# KiCad board KlusterLab r2.0.kicad_pcb (continued)
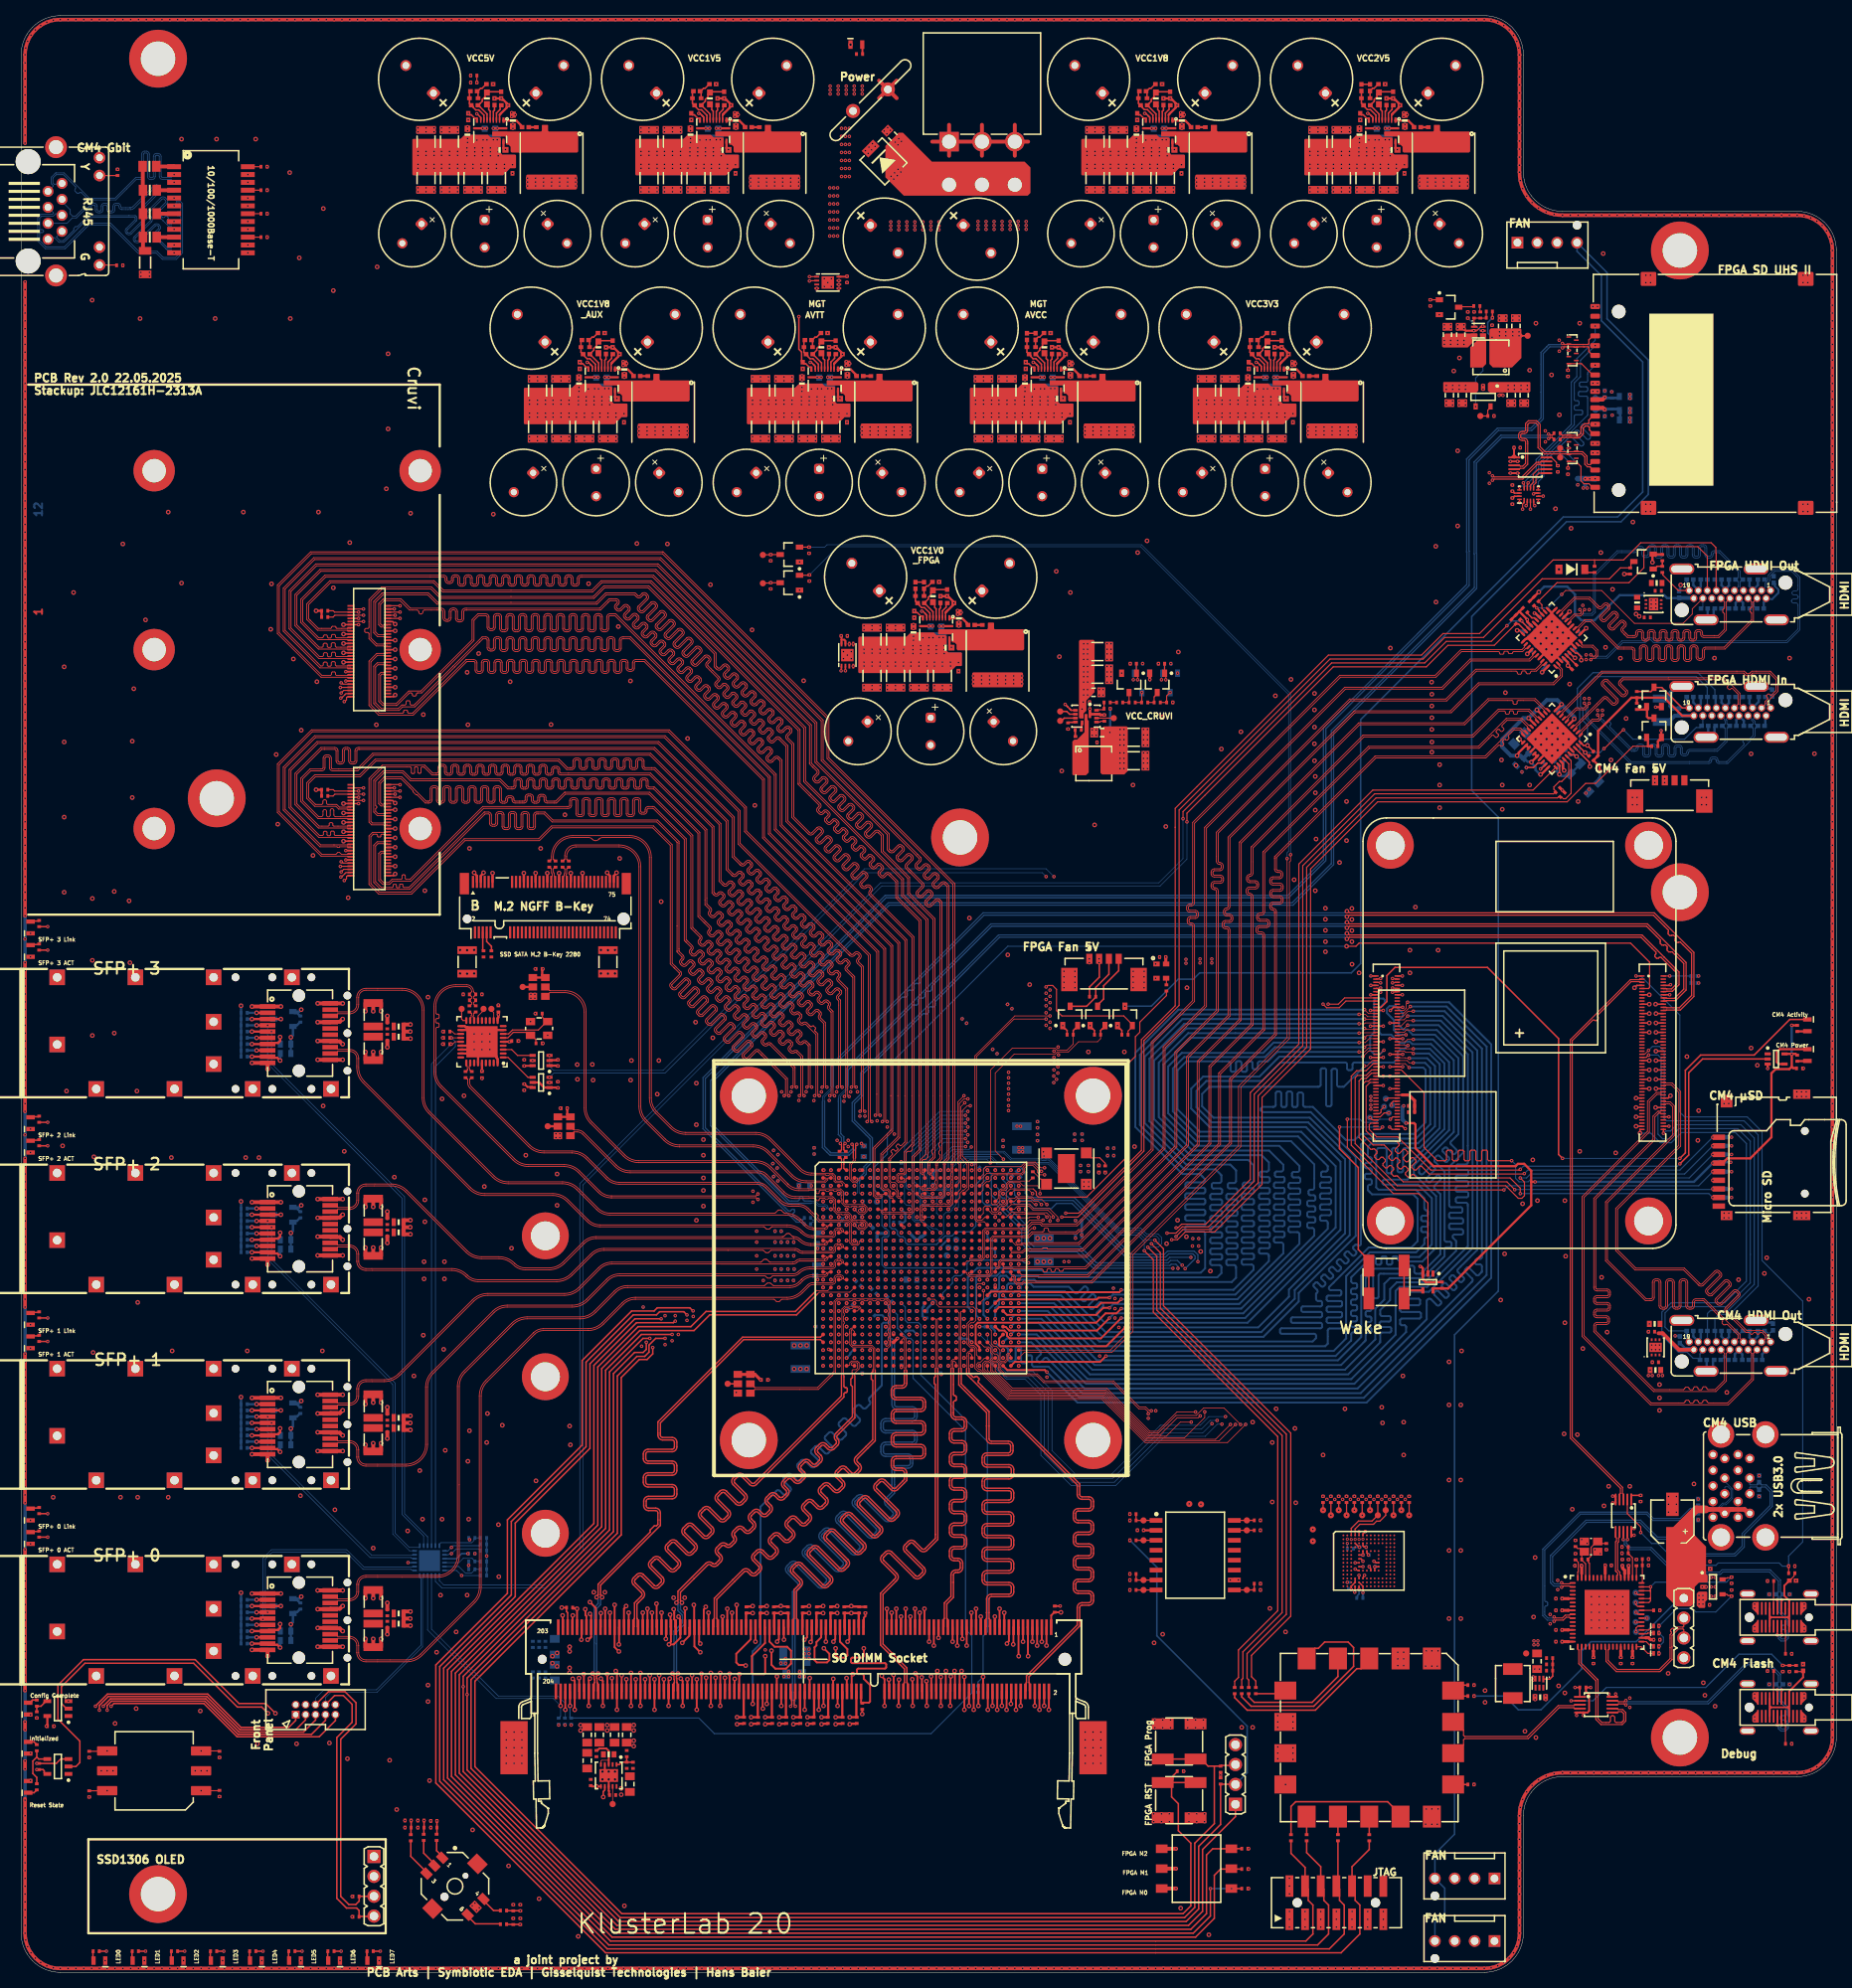
[diagram p0: board, top side]
## Nets (continued)
GND: C1.2 C2.2 C3.2 C4.2 C5.1 C6.2 C7.2 C8.2 C9.2 C10.2 C11.2 C12.2 C13.2 C14.2 C15.1 C16.2 C17.2 C18.2 C19.2 C20.2 C21.2 C22.2 C23.2 C24.2 C25.2 C26.2 C27.2 C28.2 C29.2 C30.2 C31.2 C32.2 C33.2 C34.2 C35.2 C36.2 C37.2 C38.2 C40.2 C41.2 C42.2 C43.2 C44.2 C45.2 C46.2 C47.2 C48.2 C49.2 C50.2 C51.2 C52.2 C53.1 C54.1 C55.2 C56.2 C60.2 C61.2 C62.2 C63.2 C64.2 C65.2 C66.2 C67.2 C68.2 C69.2 C71.2 C72.2 C73.2 C74.2 C75.2 C77.2 C78.2 C79.2 C80.2 C87.2 C88.2 C89.2 C90.2 C91.2 C92.2 C93.2 C94.2 C95.2 C96.2 C97.2 C98.2 C99.2 C100.2 C101.2 C102.2 C103.1 C104.1 C105.1 C106.1 C107.2 C108.2 C109.2 C110.2 C112.1 C113.2 C114.1 C115.2 C116.2 C118.2 C119.2 C120.2 C121.2 C122.2 C123.2 C124.2 C125.2 C126.2 C127.2 C128.2 C129.2 C130.2 C131.2 C132.2 C133.2 C134.2 C135.2 C136.2 C137.2 C138.2 C139.2 C140.2 C141.2 C142.2 C143.2 C144.2 C145.2 C146.2 C147.2 C148.2 C149.2 C150.2 C151.2 C152.2 C153.2 C154.2 C155.1 C156.2 C157.2 C158.1 C159.2 C160.1 C161.1 C162.1 C163.1 C164.1 C165.1 C166.2 C167.2 C168.2 C169.2 C170.2 C171.2 C172.2 C173.2 C174.1 C175.2 C176.1 C177.2 C178.1 C179.2 C180.1 C181.2 C182.2 C183.2 C184.2 C185.2 C186.1 C187.1 C188.1 C193.1 C194.1 C195.1 C196.1 C197.1 C198.1 C199.1 C200.2 C201.2 C202.2 C203.2 C204.2 C205.2 C206.2 C207.2 C208.2 C209.2 C210.2 C211.2 C212.2 C213.2 C214.2 C215.2 C216.2 C217.2 C218.2 C219.2 C220.2 C221.2 C222.2 C223.2 C224.2 C225.2 C226.2 C227.2 C228.2 C229.2 C230.2 C231.2 C232.2 C233.2 C234.2 C235.2 C236.2 C237.2 C238.2 C239.2 C240.2 C241.2 C242.2 C243.2 C244.2 C245.2 C246.2 C247.2 C248.2 C249.2 C250.1 C251.2 C252.1 C253.2 C254.2 C255.2 C256.2 C257.2 C258.2 C259.2 C260.2 C261.2 C262.2 C263.2 C264.2 C265.2 C267.2 C268.2 C269.2 C270.2 C271.2 C272.2 C273.2 C274.2 C275.2 C276.2 C277.2 C278.2 C279.2 C280.2 C281.2 C282.2 C286.2 C287.2 C288.2 C290.2 C291.2 C292.2 C293.2 C294.2 C296.2 C297.2 C298.2 C299.2 C300.2 C302.2 C303.2 C304.2 C306.2 C307.2 C308.2 C309.2 C310.2 C311.2 C312.2 C313.2 C314.2 C315.2 C317.2 C318.2 C319.2 C320.2 C321.2 C323.2 C324.2 C325.2 C326.2 C327.2 C329.2 C330.2 C331.2 C333.2 C334.2 C335.2 C336.2 C337.2 C338.2 C339.2 C340.2 C341.2 C342.2 C344.2 C345.2 C346.2 C347.2 C348.2 C350.2 C351.2 C352.2 C353.2 C354.2 C356.2 C357.2 C358.2 C360.2 C361.2 C362.2 C363.2 C364.2 C365.2 C366.2 C367.2 C368.2 C369.2 C371.2 C372.2 C373.2 C374.2 C375.2 C377.2 C378.2 C379.2 C380.2 C381.2 C383.2 C384.2 C385.2 C387.2 C388.2 C389.2 C390.2 C391.2 C392.2 C393.2 C394.2 C395.2 C396.2 C398.2 C399.2 C400.2 C401.2 C402.2 C404.2 C405.2 C406.2 C407.2 C408.2 C410.2 C411.2 C412.2 C414.2 C415.2 C416.2 C417.2 C418.2 C419.2 C420.2 C421.2 C422.2 C423.2 C424.2 C425.2 C426.2 C427.2 C428.2 C429.2 C430.2 C432.2 C433.2 C434.2 C435.2 C436.2 C438.2 C439.2 C440.2 C441.2 C442.2 C444.2 C445.2 C446.2 C448.2 C449.2 C450.2 C451.2 C452.2 C453.2 C454.2 C455.2 C456.2 C457.2 C459.2 C460.2 C461.2 C462.2 C463.2 C465.2 C466.2 C467.2 C468.2 C469.2 C471.2 C472.2 C473.2 C475.2 C476.2 C477.2 C478.2 C479.2 C480.2 C481.2 C482.2 C483.2 C484.2 C486.2 C487.2 C488.2 C489.2 C490.2 C492.2 C493.2 C494.2 C495.2 C496.2 C498.2 C499.2 C500.2 C502.1 C503.1 C504.1 C505.2 C506.2 C507.2 C508.2 C509.2 C510.2 C512.2 C513.1 C514.2 C515.2 C516.2 C517.2 C518.2 C519.2 C524.2 C525.2 C526.2 C527.2 C528.2 C529.2 C531.2 C532.2 C533.2 C534.2 C535.2 C536.2 C537.2 C538.2 C539.2 C540.2 D3.2 D4.1 D5.1 D6.1 D7.1 D8.1 D9.1 D10.1 D11.1 D12.1 D13.1 D14.1 D15.1 D16.1 D17.1 D18.1 D19.1 D20.1 D21.1 D22.2 D23.1 D24.2 D25.2 D26.1 D27.1 D28.1 D30.1 D31.1 D32.3 D33.2 D34.2 D35.1 D36.1 D38.1 D39.1 D40.1 D41.1 D42.1 D43.1 D44.1 D45.1 D46.1 D47.1 D48.2 D51.1 D52.1 D53.1 D54.1 D55.1 D56.1 D57.1 D58.1 D59.1 D60.1 D61.1 D62.1 D63.1 D64.1 D65.1 D66.1 D67.1 D68.1 D69.1 D70.1 D71.1 D72.2 D73.1 D74.1 D75.2 D76.2 D81.2 D82.2 D83.3 D138.1 D139.1 D140.1 D141.1 D142.1 D143.1 D144.1 D145.1 H1.1 H2.1 H3.1 H4.1 H5.1 H6.1 H7.1 H8.1 H9.1 H10.1 H11.1 H12.1 H13.1 H14.1 H15.1 H16.1 H17.1 H18.1 H19.1 H20.1 H21.1 H22.1 H23.1 H24.1 J1.2 J1.3 J1.8 J1.9 J1.13 J1.14 J1.19 J1.20 J1.25 J1.26 J1.31 J1.32 J1.37 J1.38 J1.43 J1.44 J1.48 J1.49 J1.54 J1.55 J1.60 J1.61 J1.65 J1.66 J1.71 J1.72 J1.127 J1.128 J1.133 J1.134 J1.138 J1.139 J1.144 J1.145 J1.150 J1.151 J1.155 J1.156 J1.161 J1.162 J1.167 J1.168 J1.172 J1.173 J1.178 J1.179 J1.184 J1.185 J1.189 J1.190 J1.195 J1.196 J1.197 J1.201 J1.MT1 J1.MT2 J2.1 J2.10 J2.11 J2.14 J2.17 J2.20 J3.1 J3.10 J3.11 J3.14 J3.17 J3.20 J4.1 J4.10 J4.11 J4.14 J4.17 J4.20 J5.1 J5.10 J5.11 J5.14 J5.17 J5.20 J6.3 J6.5 J6.11 J6.27 J6.33 J6.39 J6.45 J6.51 J6.57 J6.71 J6.73 J7.1 J7.2 J7.7 J7.8 J7.13 J7.14 J7.22 J7.23 J7.32 J7.33 J7.42 J7.43 J7.52 J7.53 J7.59 J7.60 J7.65 J7.66 J7.71 J7.74 J7.98 J8.107 J8.108 J8.113 J8.114 J8.119 J8.120 J8.125 J8.126 J8.131 J8.132 J8.137 J8.138 J8.144 J8.150 J8.155 J8.156 J8.161 J8.162 J8.167 J8.168 J8.173 J8.174 J8.179 J8.180 J8.185 J8.186 J8.191 J8.192 J8.197 J8.198 J9.4 J9.7 J9.13 J9.16 J9.MT J10.0 J10.1 J11.2 J11.5 J11.8 J11.11 J11.17 J11.MT J12.6 J12.10 J12.11 J12.12 J12.13 J13.A1 J13.A12 J13.B1 J13.B12 J13.SH1 J13.SH2 J13.SH3 J13.SH4 J14.A1 J14.A12 J14.B1 J14.B12 J14.SH1 J14.SH2 J14.SH3 J14.SH4 J15.4 J16.0 J16.1 J17.4 J18.1 J18.3 J18.5 J18.7 J18.9 J18.11 J18.13 J19.1 J19.9 J19.10 J19.16 J19.17 J19.MT1 J19.MT2 J19.MT3 J19.MT4 J21.12 J21.13 J21.18 J21.19 J21.24 J21.25 J21.30 J21.31 J21.37 J21.42 J21.43 J21.48 J21.49 J21.54 J23.2 J23.5 J23.8 J23.11 J23.17 J23.MT J24.2 J24.5 J24.8 J24.11 J24.17 J24.MT J25.1 J26.4 J26.5 J26.6 J27.12 J27.13 J27.18 J27.19 J27.24 J27.25 J27.30 J27.31 J27.37 J27.42 J27.43 J27.48 J27.49 J27.54 J28.10 J29.1 J30.1 J31.1 J34.SHD M1.MT M2.MT M3.MT M4.MT Q1.2 Q2.2 Q3.2 Q4.2 Q9.2 Q10.2 Q11.2 Q13.2 Q14.2 Q15.2 Q16.2 Q17.2 R1.2 R4.1 R5.2 R7.2 R10.1 R11.1 R15.2 R26.2 R27.2 R28.1 R37.2 R38.2 R39.1 R48.2 R49.2 R50.1 R59.2 R60.2 R61.1 R68.1 R70.2 R78.1 R80.1 R81.1 R84.1 R85.1 R102.1 R105.1 R110.1 R111.1 R112.1 R132.1 R135.1 R136.1 R138.1 R152.1 R156.1 R157.1 R161.1 R165.1 R170.1 R176.1 R177.1 R181.1 R182.1 R203.1 R204.1 R205.1 R211.1 R218.1 R219.1 R220.2 R226.1 R227.1 R229.1 R233.2 R239.1 R240.1 R241.2 R247.1 R248.1 R249.2 R274.1 R292.1 R293.1 R294.2 R295.1 R296.1 R297.2 R303.1 R304.1 R305.2 R311.1 R312.1 R313.2 R319.1 R320.1 R321.2 R331.1 R332.2 R333.2 R334.2 R335.2 R336.2 R342.1 R343.2 R344.2 S4.1 S4.3 S5.5 S5.MP1 S5.MP2 TP52.1 TP61.1 U1.A1 U1.A2 U1.A5 U1.A6 U1.A7 U1.A16 U1.A26 U1.AA6 U1.AA16 U1.AA26 U1.AB3 U1.AB13 U1.AB23 U1.AC10 U1.AC20 U1.AD7 U1.AD17 U1.AE4 U1.AE14 U1.AE24 U1.AF1 U1.AF11 U1.AF21 U1.B4 U1.B7 U1.B13 U1.B23 U1.C1 U1.C5 U1.C7 U1.C10 U1.C20 U1.D4 U1.D7 U1.D17 U1.E1 U1.E2 U1.E5 U1.E7 U1.E14 U1.E24 U1.F3 U1.F4 U1.F7 U1.F11 U1.F21 U1.G1 U1.G5 U1.G8 U1.G18 U1.H4 U1.H7 U1.H15 U1.H25 U1.J1 U1.J2 U1.J5 U1.J12 U1.J22 U1.K3 U1.K4 U1.K7 U1.K9 U1.K11 U1.K13 U1.K19 U1.L1 U1.L5 U1.L10 U1.L12 U1.L14 U1.L16 U1.L26 U1.M4 U1.M7 U1.M9 U1.M11 U1.M13 U1.M15 U1.M23 U1.N1 U1.N2 U1.N5 U1.N7 U1.N10 U1.N11 U1.N12 U1.N14 U1.N20 U1.P3 U1.P4 U1.P7 U1.P9 U1.P11 U1.P12 U1.P13 U1.P15 U1.P17 U1.R1 U1.R2 U1.R5 U1.R8 U1.R10 U1.R11 U1.R12 U1.R14 U1.R24 U1.T1 U1.T3 U1.T4 U1.T9 U1.T11 U1.T13 U1.T15 U1.T21 U1.U8 U1.U10 U1.U12 U1.U14 U1.U18 U1.V5 U1.V15 U1.V25 U1.W2 U1.W12 U1.W22 U1.Y9 U1.Y19 U2.4 U2.8 U2.11 U3.3 U4.3 U5.1 U5.7 U6.2 U6.6 U7.65 U8.2 U9.5 U9.10 U10.5 U10.10 U11.1 U11.7 U11.14 U12.3 U13.2 U13.11 U13.12 U13.13 U13.14 U13.15 U13.16 U13.17 U13.18 U14.A6 U14.C4 U14.E7 U14.G5 U14.H10 U14.J5 U14.K8 U14.N2 U14.N5 U14.P4 U14.P6 U15.3 U17.10 U19.3 U19.8 U19.14 U19.20 U19.21 U19.26 U19.31 U19.37 U19.41 U20.1 U20.7 U21.24 U21.27 U21.37 U21.41 U22.9 U23.8 U23.19 U23.20 U23.24 U23.25 U23.26 U23.31 U23.36 U23.37 U24.2 U24.5 U26.4 U26.5 U26.6 U26.7 U26.9 U27.4 U27.5 U27.6 U27.9 U28.2 U28.11 U28.12 U28.13 U28.14 U28.15 U28.16 U28.17 U28.18 U29.2 U29.11 U29.12 U29.13 U29.14 U29.15 U29.16 U29.17 U29.18 U30.2 U30.11 U30.12 U30.13 U30.14 U30.15 U30.16 U30.17 U30.18 U31.2 U31.11 U31.12 U31.13 U31.14 U31.15 U31.16 U31.17 U31.18 U32.2 U32.11 U32.12 U32.13 U32.14 U32.15 U32.16 U32.17 U32.18 U33.2 U33.11 U33.12 U33.13 U33.14 U33.15 U33.16 U33.17 U33.18 U34.2 U34.11 U34.12 U34.13 U34.14 U34.15 U34.16 U34.17 U34.18 U35.2 U35.11 U35.12 U35.13 U35.14 U35.15 U35.16 U35.17 U35.18 U36.2 U37.1 U37.11 U38.7 U39.2 U39.5 U40.2 U40.6 U41.2 Y1.2 Y1.4 Y2.2 Y3.2 Y3.4 Y4.3 Y5.3 Y6.3 Y7.1 Y7.2
VCC1V0_FPGA: C71.1 C72.1 C73.1 C74.1 C75.1 C107.1 C108.1 C109.1 C110.1 C120.1 C121.1 C122.1 C123.1 C124.1 C125.1 C126.1 C127.1 C128.1 C129.1 C130.1 C131.1 C132.1 C133.1 C134.1 C135.1 C136.1 C137.1 C138.1 C139.1 C140.1 C141.1 C142.1 C144.1 C145.1 C146.1 C149.1 C150.1 C151.1 C152.1 C153.1 C200.1 C201.1 C202.1 C203.1 C204.1 C209.1 C210.1 C211.1 C213.1 C220.1 C221.1 C222.1 C224.1 C228.1 C229.1 C230.1 C232.1 C260.1 C264.1 C265.1 L10.2 R289.2 U1.J9 U1.K8 U1.K10 U1.K12 U1.K14 U1.L9 U1.L13 U1.L15 U1.M8 U1.M14 U1.N9 U1.N13 U1.N15 U1.P14 U1.R13 U1.R15 U1.T12 U1.T14 U1.U13 U1.U15
VCC1V5: C6.1 C7.1 C8.1 C18.1 C19.1 C21.1 C22.1 C23.1 C24.1 C25.1 C26.1 C27.1 C28.1 C29.1 C30.1 C31.1 C32.1 C33.1 C34.1 C35.1 C36.1 C37.1 C38.1 C39.1 C57.1 C58.1 C59.1 C212.1 C223.1 C231.1 C245.1 C253.1 C254.1 C271.1 C272.1 C274.1 C371.1 C372.1 C373.1 C374.1 C375.1 C378.1 C379.1 C380.1 C381.1 C383.1 C384.1 C385.1 J1.75 J1.76 J1.81 J1.82 J1.87 J1.88 J1.93 J1.94 J1.99 J1.100 J1.105 J1.106 J1.111 J1.112 J1.117 J1.118 J1.123 J1.124 L15.2 R2.1 R3.2 R6.2 R8.2 R14.2 R245.2 U1.AA1 U1.AA11 U1.AB8 U1.AB18 U1.AC5 U1.AC15 U1.AD2 U1.AD12 U1.AE9 U1.AE19 U1.AF6 U1.AF16 U1.U3 U1.V10 U1.W7 U1.W17 U1.Y4 U1.Y14 U2.2
VCC1V8: C147.1 C154.1 C156.1 C159.1 C163.2 C185.1 C195.2 C197.2 C198.2 C199.2 C219.1 C226.1 C227.1 C234.1 C235.1 C236.1 C243.1 C244.1 C249.1 C317.1 C318.1 C319.1 C320.1 C321.1 C324.1 C325.1 C326.1 C327.1 C329.1 C330.1 C331.1 C503.2 C525.1 J18.2 J28.2 L12.2 Q5.1 Q6.1 R88.2 R90.2 R94.1 R95.1 R103.1 R139.2 R140.2 R141.2 R175.2 R179.2 R180.2 R183.2 R187.2 R197.2 R198.2 R199.2 R200.2 R201.2 R202.2 R224.2 R337.1 R338.1 R347.1 R348.1 S2.1 S2.3 S3.14 S3.24 S3.34 SW1.C TP51.1 TP60.1 U1.A21 U1.AA21 U1.AC25 U1.AD22 U1.AF26 U1.C25 U1.D22 U1.F26 U1.G23 U1.L7 U1.L21 U1.T6 U1.U23 U1.V20 U1.Y24 U11.8 U14.C6 U14.M4 U14.N4 U14.P3 U14.P5 U17.2 U22.21 U24.1 U36.1 U36.5 U38.15 Y2.4 Y4.1 Y4.6 Y5.1 Y5.6 Y6.1 Y6.6 Y7.4
VCC1V8_AUX: C214.1 C215.1 C216.1 C233.1 C246.1 C269.1 C344.1 C345.1 C346.1 C347.1 C348.1 C351.1 C352.1 C353.1 C354.1 C356.1 C357.1 C358.1 C421.1 C422.1 L14.2 R237.2 U1.L11 U1.M10 U1.N6 U1.P8 U1.P10 U1.R9 U1.T8 U1.T10 U1.U11
VCC2V5: C459.1 C460.1 C461.1 C462.1 C463.1 C466.1 C467.1 C468.1 C469.1 C471.1 C472.1 C473.1 L18.2 R309.2 U2.7
VCC3V3: C4.1 C5.2 C15.2 C17.1 C20.1 C41.1 C42.1 C43.1 C103.2 C104.2 C118.1 C143.1 C148.1 C155.2 C157.1 C158.2 C167.1 C168.1 C169.1 C170.1 C171.1 C172.1 C173.1 C183.1 C186.2 C187.2 C188.2 C194.2 C205.1 C207.1 C208.1 C225.1 C250.2 C252.2 C486.1 C487.1 C488.1 C489.1 C490.1 C493.1 C494.1 C495.1 C496.1 C498.1 C499.1 C500.1 C502.2 C524.1 C536.1 C537.1 D29.2 D37.2 J1.199 J6.2 J6.4 J6.70 J6.72 J6.74 J21.4 J21.9 J25.2 J27.4 J27.9 J28.4 L1.1 L2.1 L3.1 L4.1 L5.1 L6.1 L7.1 L8.1 L13.1 L19.2 R12.2 R13.2 R20.2 R21.2 R22.2 R23.2 R24.2 R25.2 R29.2 R30.2 R31.2 R32.2 R33.2 R34.2 R35.2 R36.2 R40.2 R41.2 R42.2 R43.2 R44.2 R45.2 R46.2 R47.2 R51.2 R52.2 R53.2 R54.2 R55.2 R56.2 R57.2 R58.2 R62.2 R63.2 R64.1 R65.1 R69.2 R74.1 R75.2 R86.1 R87.2 R89.2 R96.1 R107.2 R133.1 R155.2 R158.1 R159.1 R160.1 R163.1 R164.1 R168.2 R169.2 R173.2 R174.2 R208.2 R209.2 R230.1 R231.1 R283.2 R284.2 R285.2 R286.2 R317.2 R324.1 U1.K24 U1.N25 U1.P22 U1.R19 U1.T16 U1.T26 U2.10 U6.3 U6.5 U7.16 U7.34 U7.52 U7.63 U9.1 U10.1 U12.5 U14.E6 U14.F5 U14.J10 U14.K9 U15.5 U19.4 U19.11 U19.17 U19.24 U19.27 U19.34 U19.40 U21.33 U23.5 U23.10 U23.32 U24.6 U26.8 U27.7 U27.8 U36.6 U39.1 U41.3
VCC3V3_SD: C538.1 C539.1 C540.1 R346.1 U41.1
VCC5V: C56.1 C112.2 C114.2 C174.2 C176.2 C290.1 C291.1 C292.1 C293.1 C294.1 C297.1 C298.1 C299.1 C300.1 C302.1 C303.1 C304.1 C504.2 C505.1 C506.1 C507.1 C508.1 C509.1 C510.1 C531.1 C532.1 D50.2 J7.77 J7.79 J7.81 J7.83 J7.85 J7.87 J10.2 J16.2 J21.60 J27.60 J29.2 J30.2 J31.2 L11.2 R73.2 R92.2 R216.2 U5.2 U5.3 U8.3 U20.2 U20.3 U37.2 U40.3
VCC5V0_RX: C178.2 D49.2 D51.2 J24.18 R166.2 R167.2 R171.2 R172.2
VCC12V: C62.1 C63.1 C64.1 C65.1 C66.1 C67.1 C68.1 C69.1 C258.1 C259.1 C267.1 C268.1 C270.1 C273.1 C276.1 C278.1 C279.1 C280.1 C281.1 C282.1 C286.1 C287.1 C288.1 C306.1 C307.1 C308.1 C309.1 C310.1 C311.1 C312.1 C313.1 C314.1 C315.1 C333.1 C334.1 C335.1 C336.1 C337.1 C338.1 C339.1 C340.1 C341.1 C342.1 C360.1 C361.1 C362.1 C363.1 C364.1 C365.1 C366.1 C367.1 C368.1 C369.1 C387.1 C388.1 C389.1 C390.1 C391.1 C392.1 C393.1 C394.1 C395.1 C396.1 C414.1 C415.1 C423.1 C424.1 C425.1 C426.1 C427.1 C428.1 C429.1 C430.1 C448.1 C449.1 C450.1 C451.1 C452.1 C453.1 C454.1 C455.1 C456.1 C457.1 C475.1 C476.1 C477.1 C478.1 C479.1 C480.1 C481.1 C482.1 C483.1 C484.1 D72.1 F1.2 R212.2 R228.2 U13.10 U13.21 U28.10 U28.21 U29.10 U29.21 U30.10 U30.21 U31.10 U31.21 U32.10 U32.21 U33.10 U33.21 U34.10 U34.21 U35.10 U35.21
VCC_CRUVI_ADJ: C206.1 C217.1 C218.1 C275.1 C277.1 C513.2 C514.1 C515.1 C516.1 C517.1 C518.1 C519.1 J21.36 J27.36 L20.2 Q7.1 Q8.1 Q12.1 R91.2 R93.2 R291.2 R325.2 U1.A11 U1.B8 U1.B18 U1.C15 U1.D12 U1.E9 U1.E19 U1.F16 U1.G13 U1.H10 U1.H20 U1.J17 U1.M18 U11.2
VCC_USB: C60.1 C61.1 D23.2 J9.1 J9.10 J15.1 R98.2 U8.1
VCCADJ_SD: C526.1 C530.2 C533.1 C534.1 C535.1 L21.1 R339.2 R345.1 TP35.1 U38.14
150MHz_REFCLK_N: R18.2 U1.F5 Y5.5
150MHz_REFCLK_P: R18.1 U1.F6 Y5.4
156.25MHz_REFCLK_N: R19.2 U1.H5 Y6.5
156.25MHz_REFCLK_P: R19.1 U1.H6 Y6.4
200MHz_SYSCLK_N: R9.1 U1.AD9 Y4.5
200MHz_SYSCLK_P: R9.2 U1.AC9 Y4.4
AMUX: C179.1 C184.1 D49.1 D50.1 U21.32 U21.36
BBbmConfigured0: TP24.1 U7.40
BBbmConfigured1: TP25.1 U7.45
BBEN: TP23.1 U7.42
Button_C: C418.1 J28.5 R180.1 R185.1 U1.H23
Button_D: C420.1 J28.3 R187.1 R188.1 U1.G22
Button_L: C417.1 J28.1 R179.1 R184.1 U1.H22
Button_R: C419.1 J28.7 R183.1 R186.1 U1.H24
Button_U: C416.1 J28.9 R175.1 R178.1 U1.J24
CM4_1V8: J7.88 J7.90 R67.1
CM4_3V3: C105.2 C106.2 C116.1 J7.84 J7.86 J12.4 J34.10 J34.12 R66.1 R71.2 R72.2 U3.5 U4.5
CM4_GBE_LED_G: J7.17 R149.1
CM4_GBE_LED_Y: J7.15 R137.1
CM4_GBE_MDI0_N: J7.10 T1.13
CM4_GBE_MDI0_P: J7.12 T1.14
CM4_GBE_MDI1_N: J7.6 T1.16
CM4_GBE_MDI1_P: J7.4 T1.17
CM4_GBE_MDI2_N: J7.9 T1.19
CM4_GBE_MDI2_P: J7.11 T1.20
CM4_GBE_MDI3_N: J7.5 T1.22
CM4_GBE_MDI3_P: J7.3 T1.23
CM4_GPIO00: J7.36 U1.AB25
CM4_GPIO01: J7.35 U1.V23
CM4_GPIO02: J7.58 U1.U26
CM4_GPIO03: J7.56 U1.U24
CM4_GPIO04: J7.54 U1.V26
CM4_GPIO05: J7.34 U1.AB26
CM4_GPIO06: J7.30 U1.AC24
CM4_GPIO07: J7.37 U1.W23
CM4_GPIO08: J7.39 U1.W24
CM4_GPIO09: J7.40 U1.Y26
CM4_GPIO10: J7.44 U1.Y25
CM4_GPIO11: J7.38 U1.AA25
CM4_GPIO12: J7.31 U1.U22
CM4_GPIO13: J7.28 U1.AC26
CM4_GPIO14: J7.55 U1.U25
CM4_GPIO15: J7.51 U1.W26
CM4_GPIO16: J7.29 U1.Y22
CM4_GPIO17: J7.50 U1.W25
CM4_GPIO18: J7.49 U1.Y23
CM4_GPIO19: J7.26 U1.AC23
CM4_GPIO20: J7.27 U1.Y21
CM4_GPIO21: J7.25 U1.W20
CM4_GPIO22: J7.46 U1.AB24
CM4_GPIO23: J7.47 U1.AA23
CM4_GPIO24: J7.45 U1.AA24
CM4_GPIO25: J7.41 U1.AD21
CM4_GPIO26: J7.24 U1.AF24
CM4_GPIO27: J7.48 U1.AF25
CM4_OTG_ID: J8.101 R134.2 R135.2 U10.2
CM4_USB_N: J8.103 U10.4
CM4_USB_P: J8.105 U10.3
CM4_USB_US_N: U7.54 U10.6
CM4_USB_US_P: U7.53 U10.7
CM4_µSD_CLK: D20.2 J7.57 J12.5
CM4_µSD_CMD: D21.2 J7.62 J12.3
CM4_µSD_DAT0: D16.2 J7.63 J12.7
CM4_µSD_DAT1: D17.2 J7.67 J12.8
CM4_µSD_DAT2: D18.2 J7.69 J12.1
CM4_µSD_DAT3: D19.2 J7.61 J12.2
CRUVI_A_0_N: J21.17 U1.F8
CRUVI_A_0_P: J21.15 U1.F9
CRUVI_A_1_N: J21.23 U1.A14
CRUVI_A_1_P: J21.21 U1.B14
CRUVI_A_2_N: J21.29 U1.A15
CRUVI_A_2_P: J21.27 U1.B15
CRUVI_A_3_N: J21.35 U1.C13
CRUVI_A_3_P: J21.33 U1.C14
CRUVI_A_4_N: J21.41 U1.D13
CRUVI_A_4_P: J21.39 U1.D14
CRUVI_A_5_N: J21.47 U1.G14
CRUVI_A_5_P: J21.45 U1.H14
CRUVI_A_6_N: J21.16 U1.D10
CRUVI_A_6_P: J21.14 U1.E10
CRUVI_A_7_N: J21.22 U1.D11
CRUVI_A_7_P: J21.20 U1.E11
CRUVI_A_8_N: J21.28 U1.B11
CRUVI_A_8_P: J21.26 U1.B12
CRUVI_A_9_N: J21.34 U1.F13
CRUVI_A_9_P: J21.32 U1.F14
CRUVI_A_10_N: J21.40 U1.A12
CRUVI_A_10_P: J21.38 U1.A13
CRUVI_A_11_N: J21.46 U1.D8
CRUVI_A_11_P: J21.44 U1.D9
CRUVI_A_DI: J21.51 U1.G19
CRUVI_A_DO: J21.53 U1.D20
CRUVI_A_HSI: J21.10 U1.F17
CRUVI_A_HSIO: J21.2 U1.H18
CRUVI_A_HSO: J21.6 U1.H17
CRUVI_A_MODE: J21.57 U1.F20
CRUVI_A_REFCLK: J21.11 U1.E17
CRUVI_A_RESET: J21.8 U1.H16
CRUVI_A_SCK: J21.59 U1.G20
CRUVI_A_SEL: J21.55 U1.E20
CRUVI_A_SMB_ALERT: J21.3 U1.H19
CRUVI_A_SMB_SCL: J21.7 R285.1 U1.G17
CRUVI_A_SMB_SDA: J21.5 R283.1 U1.F19
CRUVI_B_0_N: J27.17 U1.A8
CRUVI_B_0_P: J27.15 U1.A9
CRUVI_B_1_N: J27.23 U1.A10
CRUVI_B_1_P: J27.21 U1.B10
CRUVI_B_2_N: J27.29 U1.F12
CRUVI_B_2_P: J27.27 U1.G12
CRUVI_B_3_N: J27.35 U1.E12
CRUVI_B_3_P: J27.33 U1.E13
CRUVI_B_4_N: J27.41 U1.H13
CRUVI_B_4_P: J27.39 U1.J13
CRUVI_B_5_N: J27.47 U1.H11
CRUVI_B_5_P: J27.45 U1.H12
CRUVI_B_6_N: J27.16 U1.F10
CRUVI_B_6_P: J27.14 U1.G11
CRUVI_B_7_N: J27.22 U1.C11
CRUVI_B_7_P: J27.20 U1.C12
CRUVI_B_8_N: J27.28 U1.B9
CRUVI_B_8_P: J27.26 U1.C9
CRUVI_B_9_N: J27.34 U1.J10
CRUVI_B_9_P: J27.32 U1.J11
CRUVI_B_10_N: J27.40 U1.H8
CRUVI_B_10_P: J27.38 U1.H9
CRUVI_B_11_N: J27.46 U1.G9
CRUVI_B_11_P: J27.44 U1.G10
CRUVI_B_DI: J27.51 U1.J15
CRUVI_B_DO: J27.53 U1.C18
CRUVI_B_HSI: J27.10 U1.G16
CRUVI_B_HSIO: J27.2 U1.F15
CRUVI_B_HSO: J27.6 U1.D16
CRUVI_B_MODE: J27.57 U1.E18
CRUVI_B_REFCLK: J27.11 U1.E16
CRUVI_B_RESET: J27.8 U1.D15
CRUVI_B_SCK: J27.59 U1.D19
CRUVI_B_SEL: J27.55 U1.D18
CRUVI_B_SMB_ALERT: J27.3 U1.G15
CRUVI_B_SMB_SCL: J27.7 R286.1 U1.E15
CRUVI_B_SMB_SDA: J27.5 R284.1 U1.J16
DAT01/RCLK_N: D83.4 J19.19 TP37.1 U39.4
DAT01/RCLK_P: D83.7 J19.18 TP36.1 U39.3
DDR3_A0: J1.98 U1.AF7
DDR3_A1: J1.97 U1.AD8
DDR3_A2: J1.96 U1.AB10
DDR3_A3: J1.95 U1.AC8
DDR3_A4: J1.92 U1.W11
DDR3_A5: J1.91 U1.AA12
DDR3_A6: J1.90 U1.AC12
DDR3_A7: J1.86 U1.AD13
DDR3_A8: J1.89 U1.AB12
DDR3_A9: J1.85 U1.AD11
DDR3_A10: J1.107 U1.AE7
DDR3_A11: J1.84 U1.Y11
DDR3_A12: J1.83 U1.AA13
DDR3_A13: J1.119 U1.AB7
DDR3_A14: J1.80 U1.Y13
DDR3_A15: J1.78 U1.Y12
DDR3_BA0: J1.109 U1.AC7
DDR3_BA1: J1.108 U1.V8
DDR3_BA2: J1.79 U1.AC13
DDR3_CKE0: J1.73 R10.2 U1.Y10
DDR3_CKE1: J1.74 R11.2 U1.W9
DDR3_CLK0_N: J1.103 U1.AC11
DDR3_CLK0_P: J1.101 U1.AB11
DDR3_CLK1_N: J1.104 U1.AB9
DDR3_CLK1_P: J1.102 U1.AA9
DDR3_D0: J1.5 U1.AB17
DDR3_D1: J1.7 U1.AC18
DDR3_D2: J1.15 U1.AC17
DDR3_D3: J1.17 U1.AD19
DDR3_D4: J1.4 U1.AA19
DDR3_D5: J1.6 U1.AA20
DDR3_D6: J1.16 U1.AD18
DDR3_D7: J1.18 U1.AC16
DDR3_D8: J1.21 U1.V16
DDR3_D9: J1.23 U1.V18
DDR3_D10: J1.33 U1.AB20
DDR3_D11: J1.35 U1.AB19
DDR3_D12: J1.22 U1.W15
DDR3_D13: J1.24 U1.V19
DDR3_D14: J1.34 U1.W16
DDR3_D15: J1.36 U1.Y17
DDR3_D16: J1.39 U1.AF19
DDR3_D17: J1.41 U1.AE17
DDR3_D18: J1.51 U1.AE15
DDR3_D19: J1.53 U1.AF15
DDR3_D20: J1.40 U1.AF20
DDR3_D21: J1.42 U1.AD16
DDR3_D22: J1.50 U1.AD15
DDR3_D23: J1.52 U1.AF14
DDR3_D24: J1.57 U1.AA15
DDR3_D25: J1.59 U1.AB16
DDR3_D26: J1.67 U1.AD14
DDR3_D27: J1.69 U1.AB14
DDR3_D28: J1.56 U1.AA18
DDR3_D29: J1.58 U1.AA17
DDR3_D30: J1.68 U1.AB15
DDR3_D31: J1.70 U1.AC14
DDR3_D32: J1.129 U1.AD6
DDR3_D33: J1.131 U1.AC6
DDR3_D34: J1.141 U1.AC3
DDR3_D35: J1.143 U1.AB4
DDR3_D36: J1.130 U1.AB6
DDR3_D37: J1.132 U1.Y6
DDR3_D38: J1.140 U1.Y5
DDR3_D39: J1.142 U1.AA4
DDR3_D40: J1.147 U1.AF3
DDR3_D41: J1.149 U1.AE3
DDR3_D42: J1.157 U1.AE2
DDR3_D43: J1.159 U1.AE1
DDR3_D44: J1.146 U1.AE6
DDR3_D45: J1.148 U1.AE5
DDR3_D46: J1.158 U1.AD4
DDR3_D47: J1.160 U1.AD1
DDR3_D48: J1.163 U1.W3
DDR3_D49: J1.165 U1.V4
DDR3_D50: J1.175 U1.U2
DDR3_D51: J1.177 U1.U5
DDR3_D52: J1.164 U1.V6
DDR3_D53: J1.166 U1.V3
DDR3_D54: J1.174 U1.U1
DDR3_D55: J1.176 U1.U6
DDR3_D56: J1.181 U1.AB2
DDR3_D57: J1.183 U1.AA3
DDR3_D58: J1.191 U1.W1
DDR3_D59: J1.193 U1.V2
DDR3_D60: J1.180 U1.AC2
DDR3_D61: J1.182 U1.Y3
DDR3_D62: J1.192 U1.Y2
DDR3_D63: J1.194 U1.V1
DDR3_DM0: J1.11 U1.AC19
DDR3_DM1: J1.28 U1.V17
DDR3_DM2: J1.46 U1.AF17
DDR3_DM3: J1.63 U1.AA14
DDR3_DM4: J1.136 U1.AC4
DDR3_DM5: J1.153 U1.AF2
DDR3_DM6: J1.170 U1.U7
DDR3_DM7: J1.187 U1.Y1
DDR3_DQS0_N: J1.10 U1.AE20
DDR3_DQS0_P: J1.12 U1.AD20
DDR3_DQS1_N: J1.27 U1.W19
DDR3_DQS1_P: J1.29 U1.W18
DDR3_DQS2_N: J1.45 U1.AF18
DDR3_DQS2_P: J1.47 U1.AE18
DDR3_DQS3_N: J1.62 U1.Y16
DDR3_DQS3_P: J1.64 U1.Y15
DDR3_DQS4_N: J1.135 U1.AB5
DDR3_DQS4_P: J1.137 U1.AA5
DDR3_DQS5_N: J1.152 U1.AF4
DDR3_DQS5_P: J1.154 U1.AF5
DDR3_DQS6_N: J1.169 U1.W5
DDR3_DQS6_P: J1.171 U1.W6
DDR3_DQS7_N: J1.186 U1.AC1
DDR3_DQS7_P: J1.188 U1.AB1
DDR3_ODT0: J1.116 U1.AA8
DDR3_ODT1: J1.120 U1.V9
DDR3_SCL: J1.202 R13.1 U22.4
DDR3_SDA: J1.200 R12.1 U22.3
DDR3_~{CAS: J1.115 U1.AA7
DDR3_~{EVENT: J1.198 R14.1 U1.W10
DDR3_~{RAS: J1.110 U1.AA10
DDR3_~{RESET: J1.30 R15.1 U1.V11
DDR3_~{S0: J1.114 U1.Y8
DDR3_~{S1: J1.121 U1.V7
DDR3_~{WE: J1.113 U1.Y7
DS1_D_N: D26.2 J9.2 U7.2
DS1_D_P: D27.2 J9.3 U7.1
DS2_D_N: D28.2 J9.11 U7.10
DS2_D_P: D74.2 J9.12 U7.9
DS3_D_N: U7.18 U9.6
DS3_D_P: U7.17 U9.7
DS4_D_N: J15.2 U7.25
DS4_D_P: J15.3 U7.24
eMMC.CLK: R128.1 U1.D23
eMMC.CMD: R127.1 U1.E22
eMMC.D0: R119.1 U1.A24
eMMC.D1: R120.1 U1.A23
eMMC.D2: R121.1 U1.C26
eMMC.D3: R122.1 U1.D21
eMMC.D4: R123.1 U1.C24
eMMC.D5: R124.1 U1.C21
eMMC.D6: R125.1 U1.D24
eMMC.D7: R126.1 U1.B21
eMMC.DS: R130.1 U1.F22
eMMC.~{RST: R129.1 U1.D26
eMMC_CLK: R128.2 TP48.1 U14.M6
eMMC_CMD: R127.2 TP47.1 U14.M5
eMMC_D0: R119.2 TP39.1 U14.A3
eMMC_D1: R120.2 TP40.1 U14.A4
eMMC_D2: R121.2 TP41.1 U14.A5
eMMC_D3: R122.2 TP42.1 U14.B2
eMMC_D4: R123.2 TP43.1 U14.B3
eMMC_D5: R124.2 TP44.1 U14.B4
eMMC_D6: R125.2 TP45.1 U14.B5
eMMC_D7: R126.2 TP46.1 U14.B6
eMMC_DS: R130.2 TP50.1 U14.H5
eMMC_~{RST: R129.2 TP49.1 U14.K5
FLASH.CLK: R117.2 R146.1 U1.C8
FLASH.D0: R142.1 U1.B24
FLASH.D1: R143.1 U1.A25
FLASH.D2: R144.1 U1.B22
FLASH.D3: R145.1 U1.A22
FLASH.~{CS: R147.1 U1.C23
FLASH.~{RST: R118.1 TP59.1 U17.3
FLASH_CLK: R146.2 TP57.1 U17.16
FLASH_D0: R142.2 TP53.1 U17.15
FLASH_D1: R143.2 TP54.1 U17.8
FLASH_D2: R141.1 R144.2 TP55.1 U17.9
FLASH_D3: R140.1 R145.2 TP56.1 U17.1
FLASH_~{CS: R139.1 R147.2 TP58.1 U17.7
FPGA_DONE: J17.1 U1.J7 U15.2
FPGA_EMCCLK: R104.2 U1.E23
FPGA_FAN_PWM: Q8.2 R93.1 U1.C17
FPGA_FAN_TACH: Q7.2 R91.1 U1.B19
FPGA_M0: R112.2 S3.13 U1.T5
FPGA_M1: R111.2 S3.23 U1.T2
FPGA_M2: R110.2 S3.33 U1.P5
FPGA_PROG: J17.3 R95.2 S4.2 S4.4 U1.P6
FPGA_SD-UHSCLK: R148.2 U1.F23
FPGA_SOFT_RST: R105.2 S2.2 S2.4 U1.A20
FPGA_~{INIT: J17.2 R94.2 R118.2 U1.G7 U12.2
GBE1_MDI0_C_N: J34.2 T1.11
GBE1_MDI0_C_P: J34.1 T1.12
GBE1_MDI1_C_N: J34.6 T1.8
GBE1_MDI1_C_P: J34.3 T1.9
GBE1_MDI2_C_N: J34.5 T1.5
GBE1_MDI2_C_P: J34.4 T1.6
GBE1_MDI3_C_N: J34.8 T1.3
GBE1_MDI3_C_P: J34.7 T1.2
Global_EN: J7.99 S1.2 S1.4
HDMI_AVCC3V3: C181.1 C182.1 L13.2 U21.5 U21.10 U21.13 U21.16 U21.22 U21.23 U21.25 U21.26 U21.30
HDMI_CM4_CEC: D12.2 J8.151 J11.13
HDMI_CM4_CLOCK_N: D11.2 J8.190 J11.12
HDMI_CM4_CLOCK_P: D10.2 J8.188 J11.10
HDMI_CM4_DATA0_N: D9.2 J8.184 J11.9
HDMI_CM4_DATA0_P: D8.2 J8.182 J11.7
HDMI_CM4_DATA1_N: D7.2 J8.178 J11.6
HDMI_CM4_DATA1_P: D6.2 J8.176 J11.4
HDMI_CM4_DATA2_N: D5.2 J8.172 J11.3
HDMI_CM4_DATA2_P: D4.2 J8.170 J11.1
HDMI_CM4_HPD: D15.2 J8.153 J11.19
HDMI_CM4_SCL: D13.2 J8.200 J11.15
HDMI_CM4_SDA: D14.2 J8.199 J11.16
HDMI_FPGA_C_RX0_N: D57.2 J24.9 U21.3
HDMI_FPGA_C_RX0_P: D56.2 J24.7 U21.4
HDMI_FPGA_C_RX1_N: D55.2 J24.6 U21.6
HDMI_FPGA_C_RX1_P: D54.2 J24.4 U21.7
HDMI_FPGA_C_RX2_N: D53.2 J24.3 U21.8
HDMI_FPGA_C_RX2_P: D52.2 J24.1 U21.9
HDMI_FPGA_C_RXC_N: D59.2 J24.12 U21.1
HDMI_FPGA_C_RXC_P: D58.2 J24.10 U21.2
HDMI_FPGA_C_RXCEC: D60.2 J24.13 U21.38
HDMI_FPGA_C_RXHPD: D63.2 J24.19 Q11.3 R172.1
HDMI_FPGA_C_RXSCL: D61.2 J24.15 R166.1 U21.40
HDMI_FPGA_C_RXSDA: D62.2 J24.16 R167.1 U21.39
HDMI_FPGA_C_TX0_N: D41.2 J23.9 U19.16
HDMI_FPGA_C_TX0_P: D40.2 J23.7 U19.15
HDMI_FPGA_C_TX1_N: D39.2 J23.6 U19.13
HDMI_FPGA_C_TX1_P: D38.2 J23.4 U19.12
HDMI_FPGA_C_TX2_N: D36.2 J23.3 U19.10
HDMI_FPGA_C_TX2_P: D35.2 J23.1 U19.9
HDMI_FPGA_C_TXC_N: D43.2 J23.12 U19.19
HDMI_FPGA_C_TXC_P: D42.2 J23.10 U19.18
HDMI_FPGA_C_TXSCL: D45.2 J23.15 R153.1 U19.22
HDMI_FPGA_C_TXSDA: D46.2 J23.16 R154.1 U19.23
HDMI_FPGA_LS_TXHPD: D47.2 J23.19 R162.2
HDMI_FPGA_RX0_N: U1.N24 U21.14
HDMI_FPGA_RX0_P: U1.P24 U21.15
HDMI_FPGA_RX1_N: U1.P26 U21.17
HDMI_FPGA_RX1_P: U1.R26 U21.18
HDMI_FPGA_RX2_N: U1.P25 U21.19
HDMI_FPGA_RX2_P: U1.R25 U21.20
HDMI_FPGA_RXC_N: U1.N23 U21.11
HDMI_FPGA_RXC_P: U1.P23 U21.12
HDMI_FPGA_RXCEC: U1.L24 U21.31
HDMI_FPGA_RXHPD: Q10.1 R170.2 U1.M22
HDMI_FPGA_RXSCL: R168.1 U1.M24 U21.35
HDMI_FPGA_RXSDA: R169.1 U1.M21 U21.34
HDMI_FPGA_TX0_N: U1.P20 U19.35
HDMI_FPGA_TX0_P: U1.P19 U19.36
HDMI_FPGA_TX1_N: U1.K26 U19.38
HDMI_FPGA_TX1_P: U1.K25 U19.39
HDMI_FPGA_TX2_N: U1.L25 U19.1
HDMI_FPGA_TX2_P: U1.M25 U19.2
HDMI_FPGA_TXC_N: U1.M20 U19.32
HDMI_FPGA_TXC_P: U1.N19 U19.33
HDMI_FPGA_TXCEC: D44.2 J23.13 R151.2 U1.N26
HDMI_FPGA_TXHPD: Q9.3 R155.1 U1.M26
HDMI_FPGA_TXSCL: R158.2 U19.29 U22.2
HDMI_FPGA_TXSDA: R159.2 U19.28 U22.1
HDMI_RX_PEEN: R165.2 U21.29
HDMI_RX_TXEN: R164.2 U21.28
I2C_OLED_SCL: J25.3 J28.6 R173.1 U22.6
I2C_OLED_SDA: J25.4 J28.8 R174.1 U22.5
JTAG_TCK: J18.6 R97.1 U1.L8
JTAG_TDI: J18.10 R100.1 U1.R6
JTAG_TDO: J18.8 R99.1 U1.R7
JTAG_TMS: J18.4 R101.1 U1.N8
JTAG_USB_D_N: U9.4 U11.16
JTAG_USB_D_P: U9.3 U11.17
Main_I2C_MUX_RST: R199.1 U1.W21 U22.24
Main_I2C_SCL: R198.1 U1.V21 U22.19
Main_I2C_SDA: R197.1 U1.AE21 U22.20
MGTAVCC: C237.1 C239.1 C240.1 C241.1 C242.1 C251.1 C432.1 C433.1 C434.1 C435.1 C436.1 C439.1 C440.1 C441.1 C442.1 C444.1 C445.1 C446.1 L17.2 R301.2 U1.C6 U1.E6 U1.G6 U1.J6 U1.L6
MGTAVTT: C238.1 C247.1 C248.1 C255.1 C256.1 C257.1 C261.1 C262.1 C263.1 C398.1 C399.1 C400.1 C401.1 C402.1 C405.1 C406.1 C407.1 C408.1 C410.1 C411.1 C412.1 L16.2 R16.2 R253.2 U1.B3 U1.C2 U1.D3 U1.G2 U1.H3 U1.L2 U1.M3 U1.M5
MGTX115_RX0_N: J2.12 U1.R3
MGTX115_RX0_P: J2.13 U1.R4
MGTX115_RX1_N: J3.12 U1.N3
MGTX115_RX1_P: J3.13 U1.N4
MGTX115_RX2_N: J4.12 U1.L3
MGTX115_RX2_P: J4.13 U1.L4
MGTX115_RX3_N: J5.12 U1.J3
MGTX115_RX3_P: J5.13 U1.J4
MGTX115_TX0_N: J2.19 U1.P1
MGTX115_TX0_P: J2.18 U1.P2
MGTX115_TX1_N: J3.19 U1.M1
MGTX115_TX1_P: J3.18 U1.M2
MGTX115_TX2_N: J4.19 U1.K1
MGTX115_TX2_P: J4.18 U1.K2
MGTX115_TX3_N: J5.19 U1.H1
MGTX115_TX3_P: J5.18 U1.H2
NetC14_1: C14.1 R2.2 R4.2 U2.1
NetC53_2: C53.2 R82.1 U7.61 Y1.3
NetC54_2: C54.2 R82.2 U7.62 Y1.1
NetC70_1: C70.1 R232.2
NetC70_2: C70.2 L10.1 U13.20
NetC76_1: C76.1 R207.1 R290.2 U13.7
NetC76_2: C76.2 R210.2 R289.1
NetC77_1: C77.1 R254.1 U13.19
NetC87_1: C87.1 C88.1 J2.15 L1.2
NetC89_1: C89.1 C90.1 J2.16 L2.2
NetC91_1: C91.1 C92.1 J3.15 L3.2
NetC93_1: C93.1 C94.1 J3.16 L4.2
NetC95_1: C95.1 C96.1 J4.15 L5.2
NetC97_1: C97.1 C98.1 J4.16 L6.2
NetC99_1: C99.1 C100.1 J5.15 L7.2
NetC101_1: C101.1 C102.1 J5.16 L8.2
NetC111_1: C111.1 U13.5
NetC111_2: C111.2 R290.1 R294.1 U13.6
NetC117_1: C117.1 R79.1 R81.2 U6.1
NetC160_2: C160.2 U14.C2
NetC161_2: C161.2 T1.15
NetC162_2: C162.2 T1.18
NetC164_2: C164.2 T1.21
NetC165_2: C165.2 T1.24
NetC166_1: C166.1 R76.2 R77.2 R131.2 R150.2
NetC180_2: C180.2 U21.21
NetC193_2: C193.2 U23.7 Y3.1
NetC196_2: C196.2 U23.6 Y3.3
NetC289_1: C289.1 R213.2
NetC289_2: C289.2 L11.1 U28.20
NetC295_1: C295.1 R215.1 R217.2 U28.7
NetC295_2: C295.2 R215.2 R216.1
NetC296_1: C296.1 R214.1 U28.19
NetC301_1: C301.1 U28.5
NetC301_2: C301.2 R217.1 R220.1 U28.6
NetC316_1: C316.1 R221.2
NetC316_2: C316.2 L12.1 U29.20
NetC322_1: C322.1 R223.1 R225.2 U29.7
NetC322_2: C322.2 R223.2 R224.1
NetC323_1: C323.1 R222.1 U29.19
NetC328_1: C328.1 U29.5
NetC328_2: C328.2 R225.1 R233.1 U29.6
NetC343_1: C343.1 R234.2
NetC343_2: C343.2 L14.1 U30.20
NetC349_1: C349.1 R236.1 R238.2 U30.7
NetC349_2: C349.2 R236.2 R237.1
NetC350_1: C350.1 R235.1 U30.19
NetC355_1: C355.1 U30.5
NetC355_2: C355.2 R238.1 R241.1 U30.6
NetC370_1: C370.1 R242.2
NetC370_2: C370.2 L15.1 U31.20
NetC376_1: C376.1 R244.1 R246.2 U31.7
NetC376_2: C376.2 R244.2 R245.1
NetC377_1: C377.1 R243.1 U31.19
NetC382_1: C382.1 U31.5
NetC382_2: C382.2 R246.1 R249.1 U31.6
NetC397_1: C397.1 R250.2
NetC397_2: C397.2 L16.1 U32.20
NetC403_1: C403.1 R252.1 R287.2 U32.7
NetC403_2: C403.2 R252.2 R253.1
NetC404_1: C404.1 R251.1 U32.19
NetC409_1: C409.1 U32.5
NetC409_2: C409.2 R287.1 R297.1 U32.6
NetC431_1: C431.1 R298.2
NetC431_2: C431.2 L17.1 U33.20
NetC437_1: C437.1 R288.1 R302.2 U33.7
NetC437_2: C437.2 R300.2 R301.1
NetC438_1: C438.1 R299.1 U33.19
NetC443_1: C443.1 U33.5
NetC443_2: C443.2 R302.1 R305.1 U33.6
NetC458_1: C458.1 R306.2
NetC458_2: C458.2 L18.1 U34.20
NetC464_1: C464.1 R308.1 R310.2 U34.7
NetC464_2: C464.2 R309.1 R322.2
NetC465_1: C465.1 R307.1 U34.19
NetC470_1: C470.1 U34.5
NetC470_2: C470.2 R310.1 R313.1 U34.6
NetC485_1: C485.1 R314.2
NetC485_2: C485.2 L19.1 U35.20
NetC491_1: C491.1 R316.1 R318.2 U35.7
NetC491_2: C491.2 R316.2 R317.1
NetC492_1: C492.1 R315.1 U35.19
NetC497_1: C497.1 U35.5
NetC497_2: C497.2 R318.1 R321.1 U35.6
NetC511_1: C511.1 R323.2
NetC511_2: C511.2 U37.7
NetC512_1: C512.1 U37.9
NetC530_1: C530.1 R339.1 R340.2 R342.2 U40.1
NetD1_2: D1.2 R71.1
NetD2_1: D2.1 U3.4
NetD2_2: D2.2 R72.1
NetD22_1: D22.1 J13.A4 J13.A9 J13.B4 J13.B9 R83.1
NetD29_1: D29.1 R106.2
NetD30_2: D30.2 R108.2
NetD31_2: D31.2 R109.1
NetD37_1: D37.1 R151.1
NetD64_2: D64.2 R189.1
NetD65_2: D65.2 R190.1
NetD66_2: D66.2 R191.1
NetD67_2: D67.2 R192.1
NetD68_2: D68.2 R193.1
NetD69_2: D69.2 R194.1
NetD70_2: D70.2 R195.1
NetD71_2: D71.2 R196.1
NetD73_2: D73.2 R212.1
NetD75_1: D75.1 J14.A4 J14.A9 J14.B4 J14.B9 R134.1
NetD77_1: D77.1 U7.36
NetD78_1: D78.1 U7.35
NetD79_1: D79.1 U7.33
NetD80_1: D80.1 U7.32
NetD138_2: D138.2 R275.2
NetD139_2: D139.2 R276.2
NetD140_2: D140.2 R277.2
NetD141_2: D141.2 R278.2
NetD142_2: D142.2 R279.2
NetD143_2: D143.2 R280.2
NetD144_2: D144.2 R281.2
NetD145_2: D145.2 R282.2
NetF1_1: F1.1 J26.1 J26.2 J26.3
NetJ6_6: J6.6 R64.2
NetJ6_8: J6.8 R65.2
NetJ7_78: J7.78 R66.2 R67.2
NetJ7_89: J7.89 TP4.1
NetJ7_91: J7.91 TP5.1
NetJ7_93: J7.93 TP6.1
NetJ13_A5: J13.A5 R85.2
NetJ13_B5: J13.B5 R132.2
NetJ14_A5: J14.A5 R136.2
NetJ14_B5: J14.B5 R138.2
NetJ16_3: J16.3 Q7.3 R92.1
NetJ16_4: J16.4 Q8.3
NetJ29_4: J29.4 J30.4 J31.4 Q12.3